# KiCad board rot.kicad_pcb
title: Corne Cherry; date: 2018-11-17; rev: 2.1; company: foostan
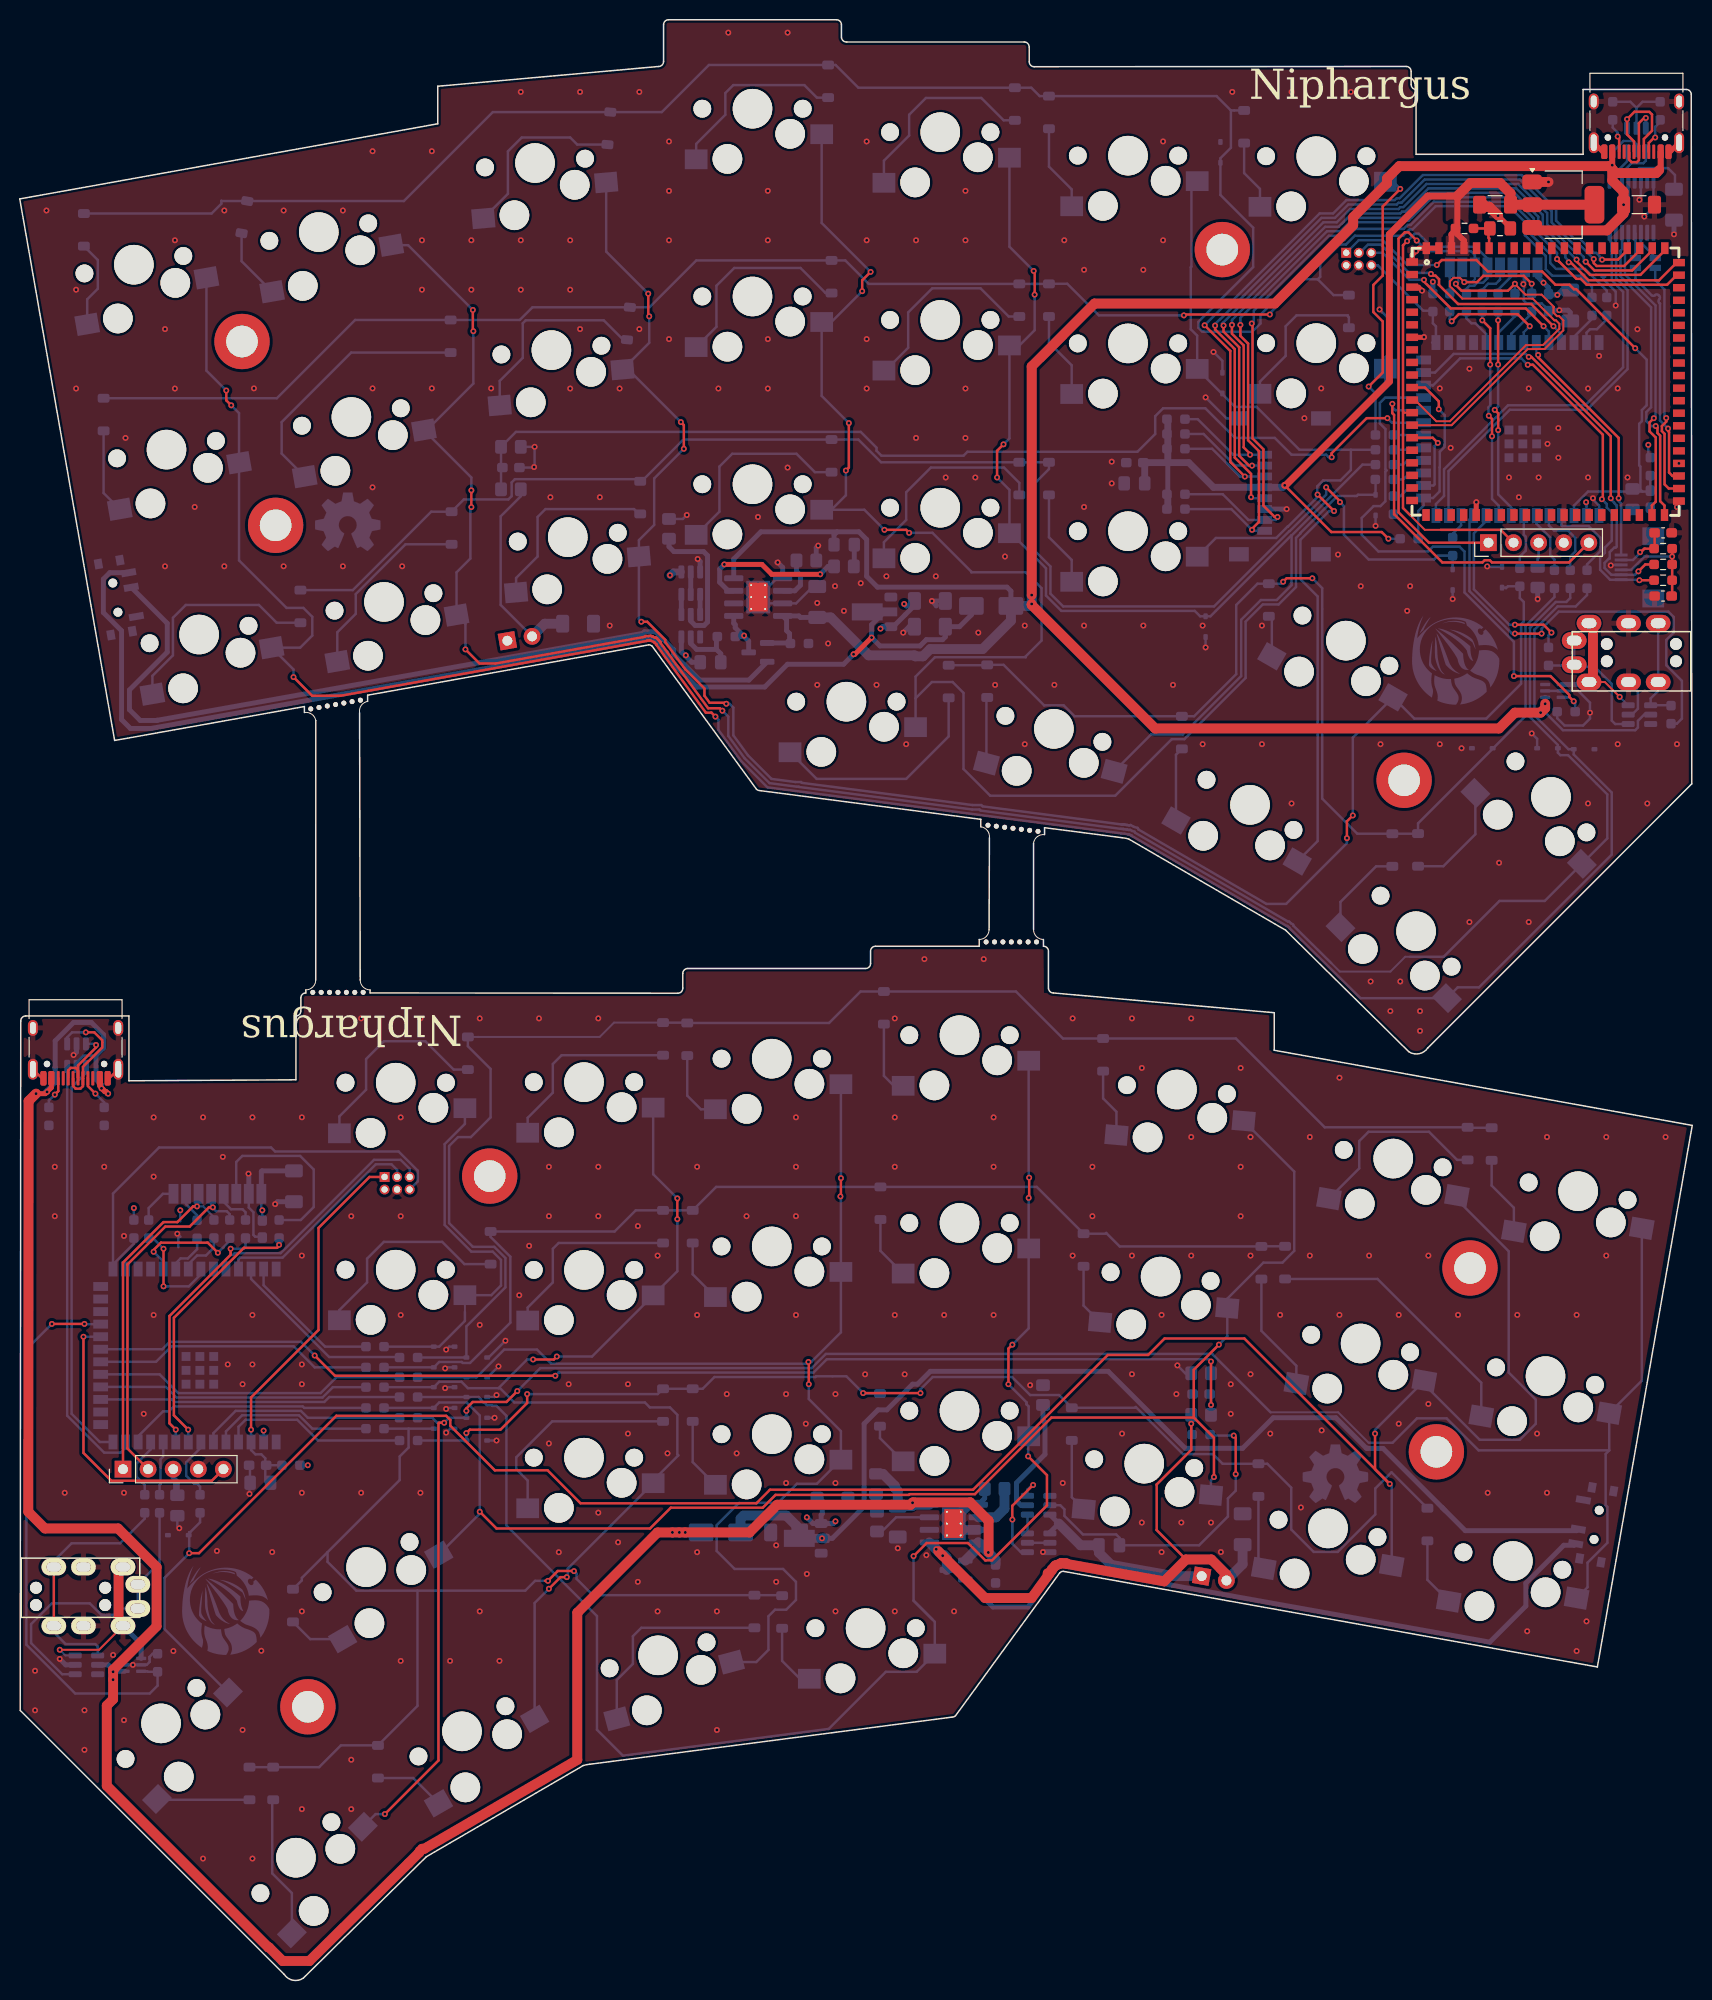
[diagram p0: board, top side]
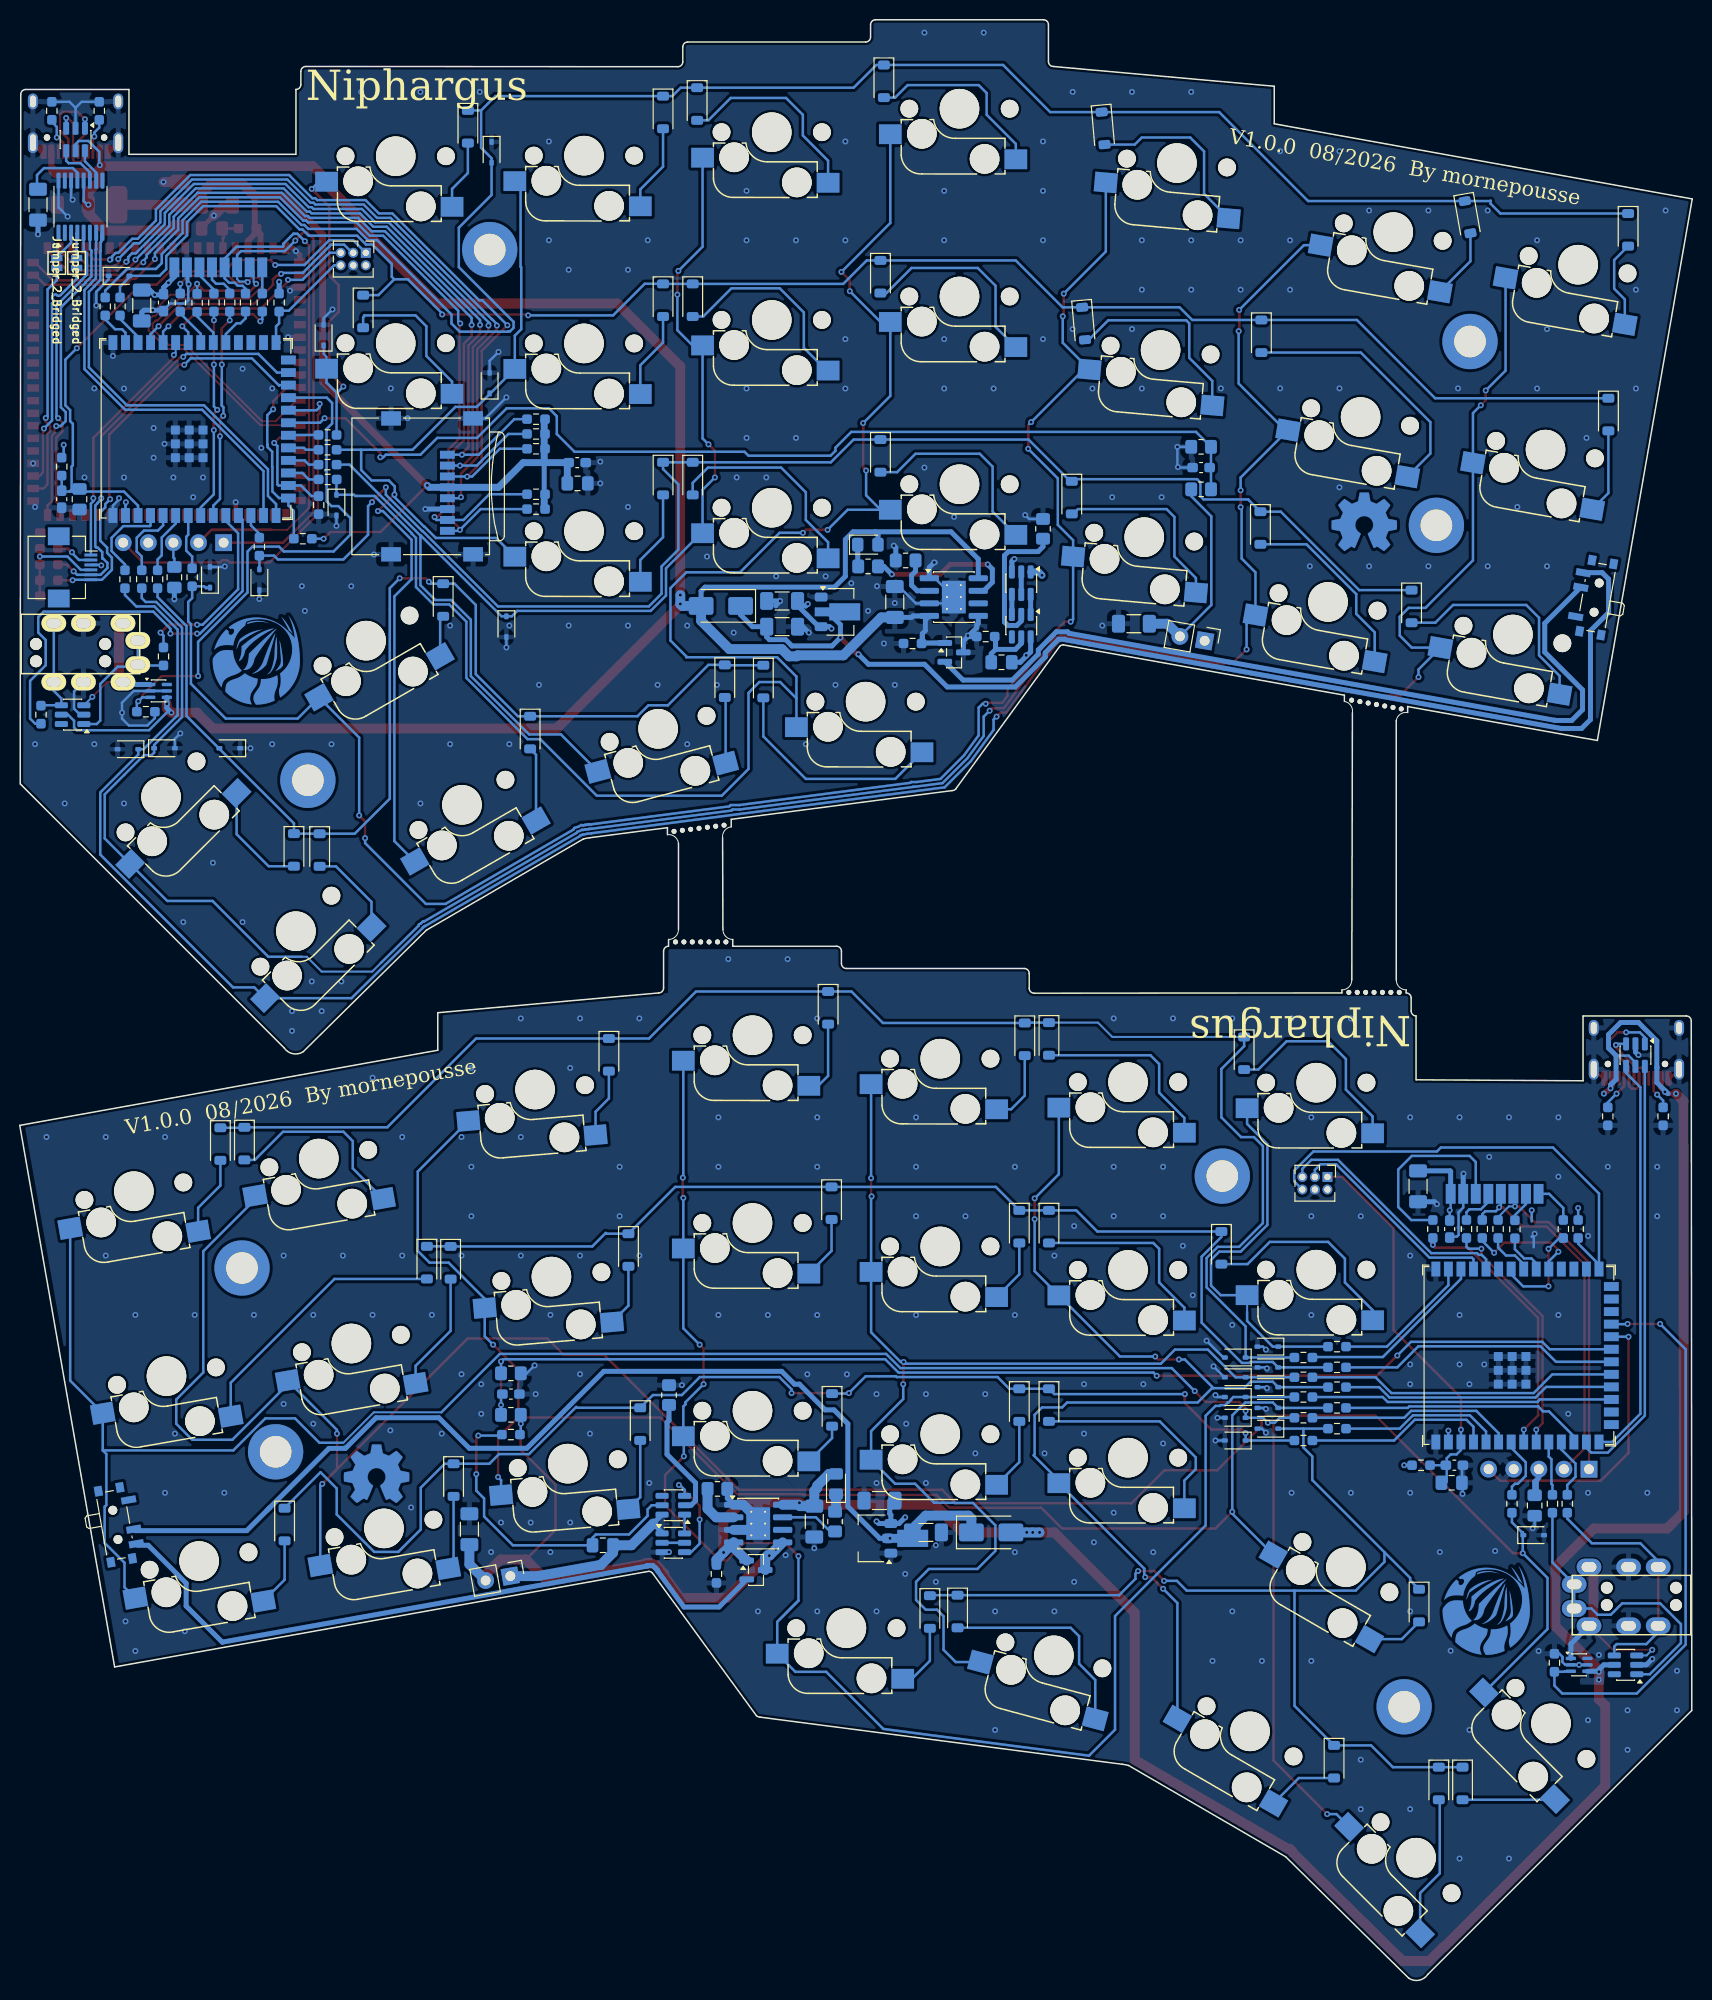
[diagram p1: board, bottom side, seen from below]

Outline 169.25 x 198.38 mm; copper layers: Top, In1.Cu, In2.Cu, Bottom. Coordinates in mm from the lower left corner of the outline.
Outline path: 28.45,98.08 28.45,99.4 arc(28.59,99.75) 28.95,99.9 ; 28.45,98.08 arc(28.3,97.72) 27.95,97.58 27.95,91.11 11.05,91.01 11.05,97.57 0.6,97.57 arc(0.25,97.43) 0.1,97.07 0.05,27.3 26.76,0.59 arc(27.65,0) 28.69,0.21 41.15,12.5 57.02,21.73 arc(57.35,21.81) 57.68,21.86 94.35,26.63 arc(94.54,26.66) 94.7,26.77 105.24,41.23 arc(105.41,41.34) 105.6,41.38 159.65,31.7 169.25,86.5 126.95,94.1 126.95,97.9 104.6,99.9 arc(104.24,100.05) 104.1,100.4 104.1,104.13 arc(103.95,104.48) 103.6,104.63 103.59,105.31 ; 28.8,128.28 28.8,128.88 9.6,125.45 0,180.25 42.3,187.85 42.3,191.65 64.65,193.65 arc(65,193.8) 65.15,194.15 65.15,197.88 arc(65.3,198.23) 65.65,198.38 82.65,198.38 arc(83,198.23) 83.15,197.88 83.15,196.63 arc(83.3,196.27) 83.65,196.13 101.65,196.13 arc(102,195.98) 102.15,195.63 102.15,194.13 arc(102.3,193.77) 102.65,193.63 140.3,193.65 arc(140.65,193.5) 140.8,193.15 140.8,191.83 arc(140.95,191.47) 141.3,191.33 141.3,184.76 158.2,184.76 158.2,191.32 168.65,191.32 arc(169,191.18) 169.15,190.82 169.2,121.05 169.19,121.05 142.49,94.34 arc(141.6,93.75) 140.56,93.96 128.1,106.25 112.22,115.48 arc(111.9,115.56) 111.57,115.61 103.7,116.62 103.7,115.92 ; 28.95,100.21 28.95,99.9 ; 29.95,101.21 29.96,127.46 ; 34.45,101.21 34.39,128.25 ; 35.2,129.4 35.2,130.03 63.65,135.13 arc(63.84,135.09) 64,134.98 74.55,120.52 arc(74.71,120.41) 74.9,120.38 97.25,117.47 97.25,116.71 ; 35.45,100.21 35.45,99.9 66.6,99.88 arc(66.95,100.02) 67.1,100.38 67.1,101.88 arc(67.24,102.23) 67.6,102.38 85.6,102.38 arc(85.95,102.52) 86.1,102.88 86.1,104.13 arc(86.24,104.48) 86.6,104.63 97.09,104.63 97.09,105.31 ; 98.09,106.31 98.12,115.6 ; 102.59,106.31 102.59,115.05
Stack: Top 0.035mm / dielectric 0.1mm FR4 er 4.5 / In1.Cu 0.035mm / dielectric 1.24mm FR4 er 4.5 / In2.Cu 0.035mm / dielectric 0.1mm FR4 er 4.5 / Bottom 0.035mm

## Placement (name value [footprint] x y rotation side)
C1  100nF  [C_0603_1608Metric_Pad1.08x0.95mm_HandSolder]  165 149.86 90 bottom
C2  100nF  [C_0603_1608Metric_Pad1.08x0.95mm_HandSolder]  24.07 52.11 0 bottom
C3  1uF  [C_0805_2012Metric_Pad1.18x1.45mm_HandSolder]  163.2 149.86 90 bottom
C4  1uF  [C_0805_2012Metric_Pad1.18x1.45mm_HandSolder]  24.35 50.34 0 bottom
C5  100nF  [C_0603_1608Metric_Pad1.08x0.95mm_HandSolder]  166.3 146.46 0 top
C6  100nF  [C_0603_1608Metric_Pad1.08x0.95mm_HandSolder]  166.3 140.06 180 top
C7  100nF  [C_0603_1608Metric_Pad1.08x0.95mm_HandSolder]  24.55 76.01 90 bottom
C8  100nF  [C_0603_1608Metric_Pad1.08x0.95mm_HandSolder]  154.7 169.76 90 bottom
C9  1uF  [C_0805_2012Metric_Pad1.18x1.45mm_HandSolder]  153.6 141.96 90 bottom
C10  1uF  [C_0805_2012Metric_Pad1.18x1.45mm_HandSolder]  15.95 48.04 90 bottom
C11  10uF  [C_1206_3216Metric_Pad1.33x1.80mm_HandSolder]  156.9 169.46 90 bottom
C12  10uF  [C_1206_3216Metric_Pad1.33x1.80mm_HandSolder]  27.75 80.34 90 bottom
C13  10uF  [C_1206_3216Metric_Pad1.33x1.80mm_HandSolder]  167.4 179.66 270 bottom
C14  1uF  [C_0805_2012Metric_Pad1.18x1.45mm_HandSolder]  149.8 177.26 180 top
C15  10uF  [C_1206_3216Metric_Pad1.33x1.80mm_HandSolder]  163.86 179.66 180 top
C16  10uF  [C_1206_3216Metric_Pad1.33x1.80mm_HandSolder]  149.3 179.66 0 top
C17  100nF  [C_0603_1608Metric_Pad1.08x0.95mm_HandSolder]  112.84 153.56 0 bottom
C18  1uF  [C_0805_2012Metric_Pad1.18x1.45mm_HandSolder]  112.8 151.46 0 bottom
C19  10uF  [C_1206_3216Metric_Pad1.33x1.80mm_HandSolder]  88.85 46.41 90 bottom
C20  10uF  [C_1206_3216Metric_Pad1.33x1.80mm_HandSolder]  80.7 139.46 270 bottom
C21  100nF  [C_0603_1608Metric_Pad1.08x0.95mm_HandSolder]  49.7 153.06 180 bottom
C22  100nF  [C_0603_1608Metric_Pad1.08x0.95mm_HandSolder]  119.55 59.31 0 bottom
C23  10uF  [C_1206_3216Metric_Pad1.33x1.80mm_HandSolder]  77.55 45.31 0 bottom
C24  10uF  [C_1206_3216Metric_Pad1.33x1.80mm_HandSolder]  92.1 136.96 0 bottom
C25  10uF  [C_1206_3216Metric_Pad1.33x1.80mm_HandSolder]  82.25 48.54 180 bottom
C26  10uF  [C_1206_3216Metric_Pad1.33x1.80mm_HandSolder]  92.1 139.56 180 bottom
C27  1uF  [C_0805_2012Metric_Pad1.18x1.45mm_HandSolder]  69.9 133.36 180 bottom
C28  1uF  [C_0805_2012Metric_Pad1.18x1.45mm_HandSolder]  110.25 44.01 180 bottom
C29  10uF  [C_1206_3216Metric_Pad1.33x1.80mm_HandSolder]  56.5 137.26 0 bottom
C30  10uF  [C_1206_3216Metric_Pad1.33x1.80mm_HandSolder]  123.75 45.64 90 bottom
D1  D  [D_SOD-123]  148.95 84.61 270 bottom
D2  D  [D_SOD-123]  6.49 177.12 270 bottom
D3  D  [D_SOD-123]  8.48 158.43 270 bottom
D4  D  [D_SOD-123]  128.05 72.61 270 bottom
D5  D  [D_SOD-123]  142.45 46.11 270 bottom
D6  D  [D_SOD-123]  28.4 139.01 270 bottom
D7  D  [D_SOD-123]  25.65 19.91 270 bottom
D8  D  [D_SOD-123]  138.9 114.36 270 bottom
D9  D  [D_SOD-123]  22.73 178.41 260 bottom
D10  D  [D_SOD-123]  146.51 84.66 270 bottom
D11  D  [D_SOD-123]  43.6 166.35 270 bottom
D12  D  [D_SOD-123]  125.65 72.6 270 bottom
D13  D  [D_SOD-123]  43.7 146.95 270 bottom
D14  D  [D_SOD-123]  125.35 50.61 270 bottom
D15  D  [D_SOD-123]  109.63 93.64 270 bottom
D16  D  [D_SOD-123]  59.62 187.39 265 bottom
D17  D  [D_SOD-123]  107.65 73.89 270 bottom
D18  D  [D_SOD-123]  61.6 167.64 265 bottom
D19  D  [D_SOD-123]  106.46 56.28 270 bottom
D20  D  [D_SOD-123]  62.79 150.03 270 bottom
D21  D  [D_SOD-123]  81.8 192.15 270 bottom
D22  D  [D_SOD-123]  87.45 98.4 270 bottom
D23  D  [D_SOD-123]  87.1 78.63 270 bottom
D24  D  [D_SOD-123]  82.15 172.38 270 bottom
D25  D  [D_SOD-123]  87.05 57.71 270 bottom
D26  D  [D_SOD-123]  82.15 154.25 270 bottom
D27  D  [D_SOD-123]  77.15 37.26 270 bottom
D28  D  [D_SOD-123]  94 131.41 270 bottom
D29  D  [D_SOD-123]  67.55 95.21 270 bottom
D30  D  [D_SOD-123]  100.7 189.85 270 bottom
D31  D  [D_SOD-123]  68.1 76.25 270 bottom
D32  D  [D_SOD-123]  101.15 170 270 bottom
D33  D  [D_SOD-123]  101.15 151.95 270 bottom
D34  D  [D_SOD-123]  68.1 58.2 270 bottom
D35  D  [D_SOD-123]  74.35 37.31 270 bottom
D36  D  [D_SOD-123]  97.9 131.45 270 bottom
D37  D  [D_SOD-123]  65.1 95.25 270 bottom
D38  D  [D_SOD-123]  104.15 189 270 bottom
D39  D  [D_SOD-123]  65.1 76.25 270 bottom
D40  D  [D_SOD-123]  104.15 170 270 bottom
D41  D  [D_SOD-123]  104.15 151.95 270 bottom
D42  D  [D_SOD-123]  65.1 58.2 270 bottom
D43  D  [D_SOD-123]  117.6 126.25 270 bottom
D44  D  [D_SOD-123]  36.25 22.11 270 bottom
D45  D  [D_SOD-123]  45.35 93.8 270 bottom
D46  D  [D_SOD-123]  123.9 187.55 270 bottom
D47  D  [D_SOD-123]  47.65 74.11 270 bottom
D48  D  [D_SOD-123]  134.5 168.86 270 bottom
D49  LED  [LED_0805_2012Metric_Pad1.15x1.40mm_HandSolder]  83.42 145.26 180 bottom
D50  LED  [LED_0805_2012Metric_Pad1.15x1.40mm_HandSolder]  86.65 50.21 90 bottom
D51  SS14  [D_SMA]  70.95 45.31 180 bottom
D52  SS14  [D_SMA]  98.3 139.06 0 bottom
D100  SD05C-01F  [D_SOD-323]  158.3 124.56 0 bottom
D101  SD05C-01F  [D_SOD-323]  154.6 124.66 180 bottom
D102  SD05C-01F  [D_SOD-323]  150 141.96 90 bottom
D103  SD05C-01F  [D_SOD-323]  137.2 149.26 270 bottom
D104  SD05C-01F  [D_SOD-323]  120 136.96 270 bottom
D105  SD05C-01F  [D_SOD-323]  121.7 161.61 90 bottom
D106  SD05C-01F  [D_SOD-323]  138.5 166.46 90 bottom
D107  SD05C-01F  [D_SOD-323]  121.5 184.96 270 bottom
D108  SD05C-01F  [D_SOD-323]  159.2 172.46 180 bottom
D109  SD05C-01F  [D_SOD-323]  145 141.71 90 bottom
D110  SD05C-01F  [D_SOD-323]  148 124.66 0 bottom
D111  SD05C-01F  [D_SOD-323]  46.25 56.91 0 bottom
D112  SD05C-01F  [D_SOD-323]  16.05 45.04 180 bottom
D113  SD05C-01F  [D_SOD-323]  42.95 57.91 0 bottom
D114  SD05C-01F  [D_SOD-323]  46.25 59.01 0 bottom
D115  SD05C-01F  [D_SOD-323]  46.25 61.01 0 bottom
D116  SD05C-01F  [D_SOD-323]  42.95 60.01 0 bottom
D117  SD05C-01F  [D_SOD-323]  42.95 64.11 0 bottom
D118  SD05C-01F  [D_SOD-323]  46.25 63.01 0 bottom
D119  SD05C-01F  [D_SOD-323]  42.95 62.01 0 bottom
D120  SD05C-01F  [D_SOD-323]  46.25 54.61 0 bottom
D121  SD05C-01F  [D_SOD-323]  42.95 55.81 0 bottom
H1  MountingHole_Pad_MP  [MountingHole_3.2mm_M3_DIN965_Pad]  146.76 72.07 0 top
H2  MountingHole_Pad_MP  [MountingHole_3.2mm_M3_DIN965_Pad]  143.36 53.47 0 top
H3  MountingHole_Pad_MP  [MountingHole_3.2mm_M3_DIN965_Pad]  47.56 81.37 0 top
H4  MountingHole_Pad_MP  [MountingHole_3.2mm_M3_DIN965_Pad]  29.16 27.67 0 top
H5  MountingHole_Pad_MP  [MountingHole_3.2mm_M3_DIN965_Pad]  22.49 165.82 0 top
H6  MountingHole_Pad_MP  [MountingHole_3.2mm_M3_DIN965_Pad]  25.89 147.22 0 top
H7  MountingHole_Pad_MP  [MountingHole_3.2mm_M3_DIN965_Pad]  121.69 175.12 0 top
H8  MountingHole_Pad_MP  [MountingHole_3.2mm_M3_DIN965_Pad]  140.09 121.42 0 top
HS1  Heatsink_Pad  [Niphargus_10mm_Cu]  145.31 133.59 180 bottom
HS2  Heatsink_Pad  [Niphargus_10mm_Cu]  20.85 37.44 180 bottom
HS3  Heatsink_Pad  [Niphargus_text_3mm_silk]  74.45 175.81 0 top
J1  Conn_02x03_Odd_Even  [PinHeader_2x03_P1.27mm_Vertical]  134.23 174.8 270 bottom
J2  Conn_02x03_Odd_Even  [PinHeader_2x03_P1.27mm_Vertical]  36.92 81.28 270 bottom
J3  TPS43_FPC  [Hirose_FH12-6S-0.5SH_1x06-1MP_P0.50mm_Horizontal]  163.9 142.96 270 bottom
J4  Conn_01x05_Pin  [PinHeader_1x05_P2.54mm_Vertical]  10.45 51.71 90 top
J5  AudioJack4  [MJ-4PP-9_rev3]  0.15 39.71 90 top
J6  AudioJack4  [MJ-4PP-9_rev3]  169.1 135.21 90 bottom
J7  USB_C_Receptacle_USB2.0_16P  [USB_C_Receptacle_HRO_TYPE-C-31-M-12]  5.65 95.31 180 top
J8  USB_C_Receptacle_USB2.0_16P  [USB_C_Receptacle_HRO_TYPE-C-31-M-12]  163.6 189.06 180 top
J9  Micro_SD_Card  [microSD_HC_Wuerth_693072010801]  127.52 151.16 270 bottom
J10  Battery  [PinHeader_1x02_P2.54mm_Vertical]  49.34 135.54 280 bottom
J11  Battery  [PinHeader_1x02_P2.54mm_Vertical]  119.6 40.89 260 bottom
J12  Conn_01x05_Pin  [PinHeader_1x05_P2.54mm_Vertical]  148.62 145.46 90 top
JP1  Jumper_2_Bridged  [Jumper]  163.5 173.76 90 bottom
JP2  Jumper_2_Bridged  [Jumper]  165.5 173.76 90 bottom
Q1  AO3407  [SOT-23]  94.75 41.51 180 bottom
Q2  AO3407  [SOT-23]  74.7 134.36 180 bottom
Q3  FS8205  [SOT-23-6]  103.11 44.26 180 bottom
Q4  FS8205  [SOT-23-6]  67.9 141.36 270 bottom
R1  10k  [R_0603_1608Metric_Pad0.98x0.95mm_HandSolder]  27.45 52.11 0 bottom
R2  10k  [R_0603_1608Metric_Pad0.98x0.95mm_HandSolder]  165 153.16 90 bottom
R3  100  [R_0603_1608Metric_Pad0.98x0.95mm_HandSolder]  39.35 63.01 0 bottom
R4  100  [R_0603_1608Metric_Pad0.98x0.95mm_HandSolder]  160.6 169.36 90 bottom
R5  100  [R_0603_1608Metric_Pad0.98x0.95mm_HandSolder]  35.95 62.01 0 bottom
R6  100  [R_0603_1608Metric_Pad0.98x0.95mm_HandSolder]  159.1 169.36 90 bottom
R7  100  [R_0603_1608Metric_Pad0.98x0.95mm_HandSolder]  145 145.06 270 bottom
R8  100  [R_0603_1608Metric_Pad0.98x0.95mm_HandSolder]  39.35 54.61 0 bottom
R9  100  [R_0603_1608Metric_Pad0.98x0.95mm_HandSolder]  155.3 141.76 270 bottom
R10  100  [R_0603_1608Metric_Pad0.98x0.95mm_HandSolder]  35.95 55.81 0 bottom
R11  100  [R_0603_1608Metric_Pad0.98x0.95mm_HandSolder]  158.6 141.76 90 bottom
R12  100  [R_0603_1608Metric_Pad0.98x0.95mm_HandSolder]  39.35 56.91 180 bottom
R13  100  [R_0603_1608Metric_Pad0.98x0.95mm_HandSolder]  18.25 48.21 90 bottom
R14  100  [R_0603_1608Metric_Pad0.98x0.95mm_HandSolder]  156.9 141.76 90 bottom
R15  100  [R_0603_1608Metric_Pad0.98x0.95mm_HandSolder]  17.95 75.99 90 bottom
R16  100  [R_0603_1608Metric_Pad0.98x0.95mm_HandSolder]  151.3 169.74 90 bottom
R17  100  [R_0603_1608Metric_Pad0.98x0.95mm_HandSolder]  19.65 76.01 90 bottom
R18  100  [R_0603_1608Metric_Pad0.98x0.95mm_HandSolder]  153 169.76 90 bottom
R19  100  [R_0603_1608Metric_Pad0.98x0.95mm_HandSolder]  35.95 57.91 180 bottom
R20  100  [R_0603_1608Metric_Pad0.98x0.95mm_HandSolder]  151.8 141.96 90 bottom
R21  100  [R_0603_1608Metric_Pad0.98x0.95mm_HandSolder]  138.09 151.86 0 bottom
R22  100  [R_0603_1608Metric_Pad0.98x0.95mm_HandSolder]  39.35 59.01 180 bottom
R23  100  [R_0603_1608Metric_Pad0.98x0.95mm_HandSolder]  138.1 153.36 0 bottom
R24  100  [R_0603_1608Metric_Pad0.98x0.95mm_HandSolder]  39.35 61.01 180 bottom
R25  100  [R_0603_1608Metric_Pad0.98x0.95mm_HandSolder]  138.1 154.86 0 bottom
R26  100  [R_0603_1608Metric_Pad0.98x0.95mm_HandSolder]  35.95 60.01 180 bottom
R27  100  [R_0603_1608Metric_Pad0.98x0.95mm_HandSolder]  138.1 156.36 0 bottom
R28  100  [R_0603_1608Metric_Pad0.98x0.95mm_HandSolder]  35.95 64.11 180 bottom
R29  4.7k  [R_0603_1608Metric_Pad0.98x0.95mm_HandSolder]  166.3 141.66 180 top
R30  100  [R_0603_1608Metric_Pad0.98x0.95mm_HandSolder]  146.4 169.76 90 bottom
R31  100  [R_0603_1608Metric_Pad0.98x0.95mm_HandSolder]  21.25 76.01 90 bottom
R32  4.7k  [R_0603_1608Metric_Pad0.98x0.95mm_HandSolder]  166.3 143.26 180 top
R33  10k  [R_0603_1608Metric_Pad0.98x0.95mm_HandSolder]  11.55 76.01 90 bottom
R34  10k  [R_0603_1608Metric_Pad0.98x0.95mm_HandSolder]  143 169.76 90 bottom
R35  100k  [R_0603_1608Metric_Pad0.98x0.95mm_HandSolder]  166.3 144.86 180 top
R36  100  [R_0603_1608Metric_Pad0.98x0.95mm_HandSolder]  148 169.76 90 bottom
R37  100  [R_0603_1608Metric_Pad0.98x0.95mm_HandSolder]  22.85 76.01 90 bottom
R38  100  [R_0603_1608Metric_Pad0.98x0.95mm_HandSolder]  26.25 76.01 90 bottom
R39  100  [R_0603_1608Metric_Pad0.98x0.95mm_HandSolder]  149.6 169.76 90 bottom
R40  100  [R_0603_1608Metric_Pad0.98x0.95mm_HandSolder]  13.05 76.01 90 bottom
R41  100  [R_0603_1608Metric_Pad0.98x0.95mm_HandSolder]  144.7 169.76 90 bottom
R42  100k  [R_0603_1608Metric_Pad0.98x0.95mm_HandSolder]  156.49 128.36 180 bottom
R43  100k  [R_0603_1608Metric_Pad0.98x0.95mm_HandSolder]  13.95 32.13 90 bottom
R44  100  [R_0603_1608Metric_Pad0.98x0.95mm_HandSolder]  12.65 48.21 90 bottom
R45  100  [R_0603_1608Metric_Pad0.98x0.95mm_HandSolder]  167.1 128.06 270 bottom
R46  100  [R_0603_1608Metric_Pad0.98x0.95mm_HandSolder]  14.15 48.21 90 bottom
R47  100  [R_0603_1608Metric_Pad0.98x0.95mm_HandSolder]  154.7 133.95 90 bottom
R48  10k  [R_0603_1608Metric_Pad0.98x0.95mm_HandSolder]  140.6 145.86 180 bottom
R49  10k  [R_0603_1608Metric_Pad0.98x0.95mm_HandSolder]  139 149.26 90 bottom
R50  5k1  [R_0603_1608Metric_Pad0.98x0.95mm_HandSolder]  166 189.16 90 bottom
R51  5k1  [R_0603_1608Metric_Pad0.98x0.95mm_HandSolder]  8.55 87.41 270 bottom
R52  5k1  [R_0603_1608Metric_Pad0.98x0.95mm_HandSolder]  161.2 189.16 270 bottom
R53  5k1  [R_0603_1608Metric_Pad0.98x0.95mm_HandSolder]  2.95 87.41 90 bottom
R54  10k  [R_0603_1608Metric_Pad0.98x0.95mm_HandSolder]  146.2 177.26 180 top
R55  10k  [R_0603_1608Metric_Pad0.98x0.95mm_HandSolder]  117 157.96 0 bottom
R56  10k  [R_0603_1608Metric_Pad0.98x0.95mm_HandSolder]  117 156.46 0 bottom
R57  10k  [R_0603_1608Metric_Pad0.98x0.95mm_HandSolder]  117 154.96 0 bottom
R58  10k  [R_0603_1608Metric_Pad0.98x0.95mm_HandSolder]  117 150.36 0 bottom
R59  10k  [R_0603_1608Metric_Pad0.98x0.95mm_HandSolder]  117 148.86 0 bottom
R60  100k  [R_0603_1608Metric_Pad0.98x0.95mm_HandSolder]  78.9 135.26 180 bottom
R61  100k  [R_0603_1608Metric_Pad0.98x0.95mm_HandSolder]  98.75 41.11 90 bottom
R62  1k  [R_0805_2012Metric_Pad1.20x1.40mm_HandSolder]  83.4 143.06 180 bottom
R63  1k  [R_0805_2012Metric_Pad1.20x1.40mm_HandSolder]  86.75 46.41 270 bottom
R64  1M  [R_0805_2012Metric_Pad1.20x1.40mm_HandSolder]  49.7 150.86 180 bottom
R65  1M  [R_0805_2012Metric_Pad1.20x1.40mm_HandSolder]  119.55 57.21 0 bottom
R66  1M  [R_0805_2012Metric_Pad1.20x1.40mm_HandSolder]  119.55 61.41 180 bottom
R67  1M  [R_0805_2012Metric_Pad1.20x1.40mm_HandSolder]  49.7 155.16 0 bottom
R68  2k4  [R_0805_2012Metric_Pad1.20x1.40mm_HandSolder]  79.6 143.66 0 bottom
R69  2k4  [R_0805_2012Metric_Pad1.20x1.40mm_HandSolder]  98.65 49.71 180 bottom
R70  100  [R_0603_1608Metric_Pad0.98x0.95mm_HandSolder]  71.5 135.96 180 bottom
R71  100  [R_0603_1608Metric_Pad0.98x0.95mm_HandSolder]  119.55 55.21 0 bottom
R72  1k  [R_0805_2012Metric_Pad1.20x1.40mm_HandSolder]  103.55 59.21 90 bottom
R73  1k  [R_0805_2012Metric_Pad1.20x1.40mm_HandSolder]  65.7 146.86 90 bottom
REF**  -  [MouseBite-Part_2.0x4.5mm_inset_D0.5mm_P0.85mm_7h]  32 128.84 190 top  (not fitted)
REF**#2  -  [MouseBite-Part_2.0x4.5mm_inset_D0.5mm_P0.85mm_7h]  32.2 100.21 0 top  (not fitted)
REF**#3  MouseBite-Part_2.0x4.5mm_inset_D0.5mm_P0.85mm_7h  [MouseBite-Part_2.0x4.5mm_inset_D0.5mm_P0.85mm_7h#2]  100.48 116.32 173 top  (not fitted)
REF**#4  -  [MouseBite-Part_2.0x4.5mm_inset_D0.5mm_P0.85mm_7h]  100.34 105.31 0 top  (not fitted)
REF**#5  -  [OSHW-Symbol_6.7x6mm_Copper]  33.2 147.56 180 bottom
REF**#6  -  [OSHW-Symbol_6.7x6mm_Copper]  133.15 51.24 180 bottom
SW1  SW_PUSH  [SW_Cherry_MX_1.00u_PCB]  11.55 173.59 190 top
SW2  SW_PUSH  [SW_Cherry_MX_1.00u_PCB]  157.7 79.84 170 top
SW3  SW_PUSH  [SW_Cherry_MX_1.00u_PCB]  14.85 154.88 190 top
SW4  SW_PUSH  [SW_Cherry_MX_1.00u_PCB]  154.4 61.13 170 top
SW5  SW_PUSH  [SW_Cherry_MX_1.00u_PCB]  18.15 136.17 190 top
SW6  SW_PUSH  [SW_Cherry_MX_1.00u_PCB]  151.1 42.42 170 top
SW7  SW_PUSH  [SW_Cherry_MX_1.00u_PCB]  27.95 12.4 225 top
SW8  SW_PUSH  [SW_Cherry_MX_1.00u_PCB]  141.3 106.15 135 top
SW9  SW_PUSH  [SW_Cherry_MX_1.00u_PCB]  138.99 83.14 170 top
SW10  SW_PUSH  [SW_Cherry_MX_1.00u_PCB]  30.26 176.89 190 top
SW11  SW_PUSH  [SW_Cherry_MX_1.00u_PCB]  135.69 64.43 170 top
SW12  SW_PUSH  [SW_Cherry_MX_1.00u_PCB]  33.56 158.18 190 top
SW13  SW_PUSH  [SW_Cherry_MX_1.00u_PCB]  132.39 45.72 170 top
SW14  SW_PUSH  [SW_Cherry_MX_1.00u_PCB]  36.86 139.47 190 top
SW15  SW_PUSH  [SW_Cherry_MX_1.00u_PCB]  154.95 119.74 135 top
SW16  SW_PUSH  [SW_Cherry_MX_1.00u_PCB]  14.3 25.99 225 top
SW17  SW_PUSH  [SW_Cherry_MX_1.00u_PCB]  52.14 183.88 185 top
SW18  SW_PUSH  [SW_Cherry_MX_1.00u_PCB]  117.1 90.13 175 top
SW19  SW_PUSH  [SW_Cherry_MX_1.00u_PCB]  53.8 164.95 185 top
SW20  SW_PUSH  [SW_Cherry_MX_1.00u_PCB]  115.45 71.2 175 top
SW21  SW_PUSH  [SW_Cherry_MX_1.00u_PCB]  55.46 146.02 185 top
SW22  SW_PUSH  [SW_Cherry_MX_1.00u_PCB]  113.79 52.27 175 top
SW23  SW_PUSH  [SW_Cherry_MX_1.00u_PCB]  35.05 41.8 210 top
SW24  SW_PUSH  [SW_Cherry_MX_1.00u_PCB]  134.2 135.55 150 top
SW25  SW_PUSH  [SW_Cherry_MX_1.00u_PCB]  95.1 95.63 180 top
SW26  SW_PUSH  [SW_Cherry_MX_1.00u_PCB]  74.15 189.38 180 top
SW27  SW_PUSH  [SW_Cherry_MX_1.00u_PCB]  74.15 170.38 180 top
SW28  SW_PUSH  [SW_Cherry_MX_1.00u_PCB]  95.1 76.63 180 top
SW29  SW_PUSH  [SW_Cherry_MX_1.00u_PCB]  95.1 57.63 180 top
SW30  SW_PUSH  [SW_Cherry_MX_1.00u_PCB]  74.15 151.38 180 top
SW31  SW_PUSH  [SW_Cherry_MX_1.00u_PCB]  83.65 129.38 180 top
SW32  SW_PUSH  [SW_Cherry_MX_1.00u_PCB]  85.6 35.63 180 top
SW33  SW_PUSH  [SW_Cherry_MX_1.00u_PCB]  93.15 187 180 top
SW34  SW_PUSH  [SW_Cherry_MX_1.00u_PCB]  76.1 93.25 180 top
SW35  SW_PUSH  [SW_Cherry_MX_1.00u_PCB]  93.15 168 180 top
SW36  SW_PUSH  [SW_Cherry_MX_1.00u_PCB]  76.1 74.25 180 top
SW37  SW_PUSH  [SW_Cherry_MX_1.00u_PCB]  76.1 55.25 180 top
SW38  SW_PUSH  [SW_Cherry_MX_1.00u_PCB]  93.15 149 180 top
SW39  SW_PUSH  [SW_Cherry_MX_1.00u_PCB]  64.6 32.88 195 top
SW40  SW_PUSH  [SW_Cherry_MX_1.00u_PCB]  104.65 126.63 165 top
SW41  SW_PUSH  [SW_Cherry_MX_1.00u_PCB]  112.15 184.63 180 top
SW42  SW_PUSH  [SW_Cherry_MX_1.00u_PCB]  57.1 90.88 180 top
SW43  SW_PUSH  [SW_Cherry_MX_1.00u_PCB]  112.15 165.63 180 top
SW44  SW_PUSH  [SW_Cherry_MX_1.00u_PCB]  57.1 71.88 180 top
SW45  SW_PUSH  [SW_Cherry_MX_1.00u_PCB]  112.15 146.63 180 top
SW46  SW_PUSH  [SW_Cherry_MX_1.00u_PCB]  57.1 52.88 180 top
SW47  SW_PUSH  [SW_Cherry_MX_1.00u_PCB]  124.5 118.93 150 top
SW48  SW_PUSH  [SW_Cherry_MX_1.00u_PCB]  44.75 25.18 210 top
SW49  SW_PUSH  [SW_Cherry_MX_1.00u_PCB]  131.2 184.57 180 top
SW50  SW_PUSH  [SW_Cherry_MX_1.00u_PCB]  38.05 90.82 180 top
SW51  SW_PUSH  [SW_Cherry_MX_1.00u_PCB]  38.05 71.9 180 top
SW52  SW_PUSH  [SW_Cherry_MX_1.00u_PCB]  131.2 165.65 180 top
SW53  SW_SPDT  [SW_SPDT_PCM12]  159.25 46.14 260 bottom
SW54  SW_SPDT  [SW_SPDT_PCM12#2]  10 139.96 100 bottom
U1  D  [D_SOD-123]  23.25 19.91 270 bottom
U2  D  [D_SOD-123]  141.5 114.38 270 bottom
U3  D  [D_SOD-123]  126.4 139.66 270 bottom
U4  D  [D_SOD-123]  27.65 37.91 270 bottom
U5  ESP32-S3-WROOM-1  [ESP32-S3-WROOM-1U]  17.69 63.21 90 bottom
U6  ESP32-S3-WROOM-1  [ESP32-S3-WROOM-1U]  151.56 156.96 90 bottom
U7  NRF24L01_Breakout  [NRF24L01]  20.05 88.28 180 bottom
U8  NRF24L01_Breakout  [NRF24L01]  149.2 182.03 180 bottom
U9  SRV05-4  [SOT-23-6]  163.9 128.06 0 bottom
U10  SRV05-4  [SOT-23-6]  6.75 31.91 0 bottom
U11  SiP32431DR3  [SOT-363_SC-70-6]  11.45 31.91 180 bottom
U12  SiP32431DR3  [SOT-363_SC-70-6]  155.2 130.46 180 bottom
U13  CH334R  [QSOP-16_3.9x4.9mm_P0.635mm]  163.1 179.46 90 bottom
U14  USBLC6-2SC6  [SOT-23-6]  163.6 186.26 270 bottom
U15  USBLC6-2SC6  [SOT-23-6]  5.75 93.61 270 bottom
U16  ESP32P4_QFN104  [JC-ESP32P4-M3_V0.2]  139.9 147.26 0 top